# Altium PCB praxis_top_level_pcbdoc_v3.PcbDoc (part 2 of 4)
Units mm, origin at the board's own origin, x right, y up, seen from the top; angles counter-clockwise.
Board outline 152.4 x 79.5 mm, 4 copper layers (Top Layer, Int1 (GND), Int2 (PWR), Bottom Layer), stack 1.584 mm thick; 306 components, 267 nets, 1032 pads, 529 vias.
Unrouted connection lines stored in the file: 1.
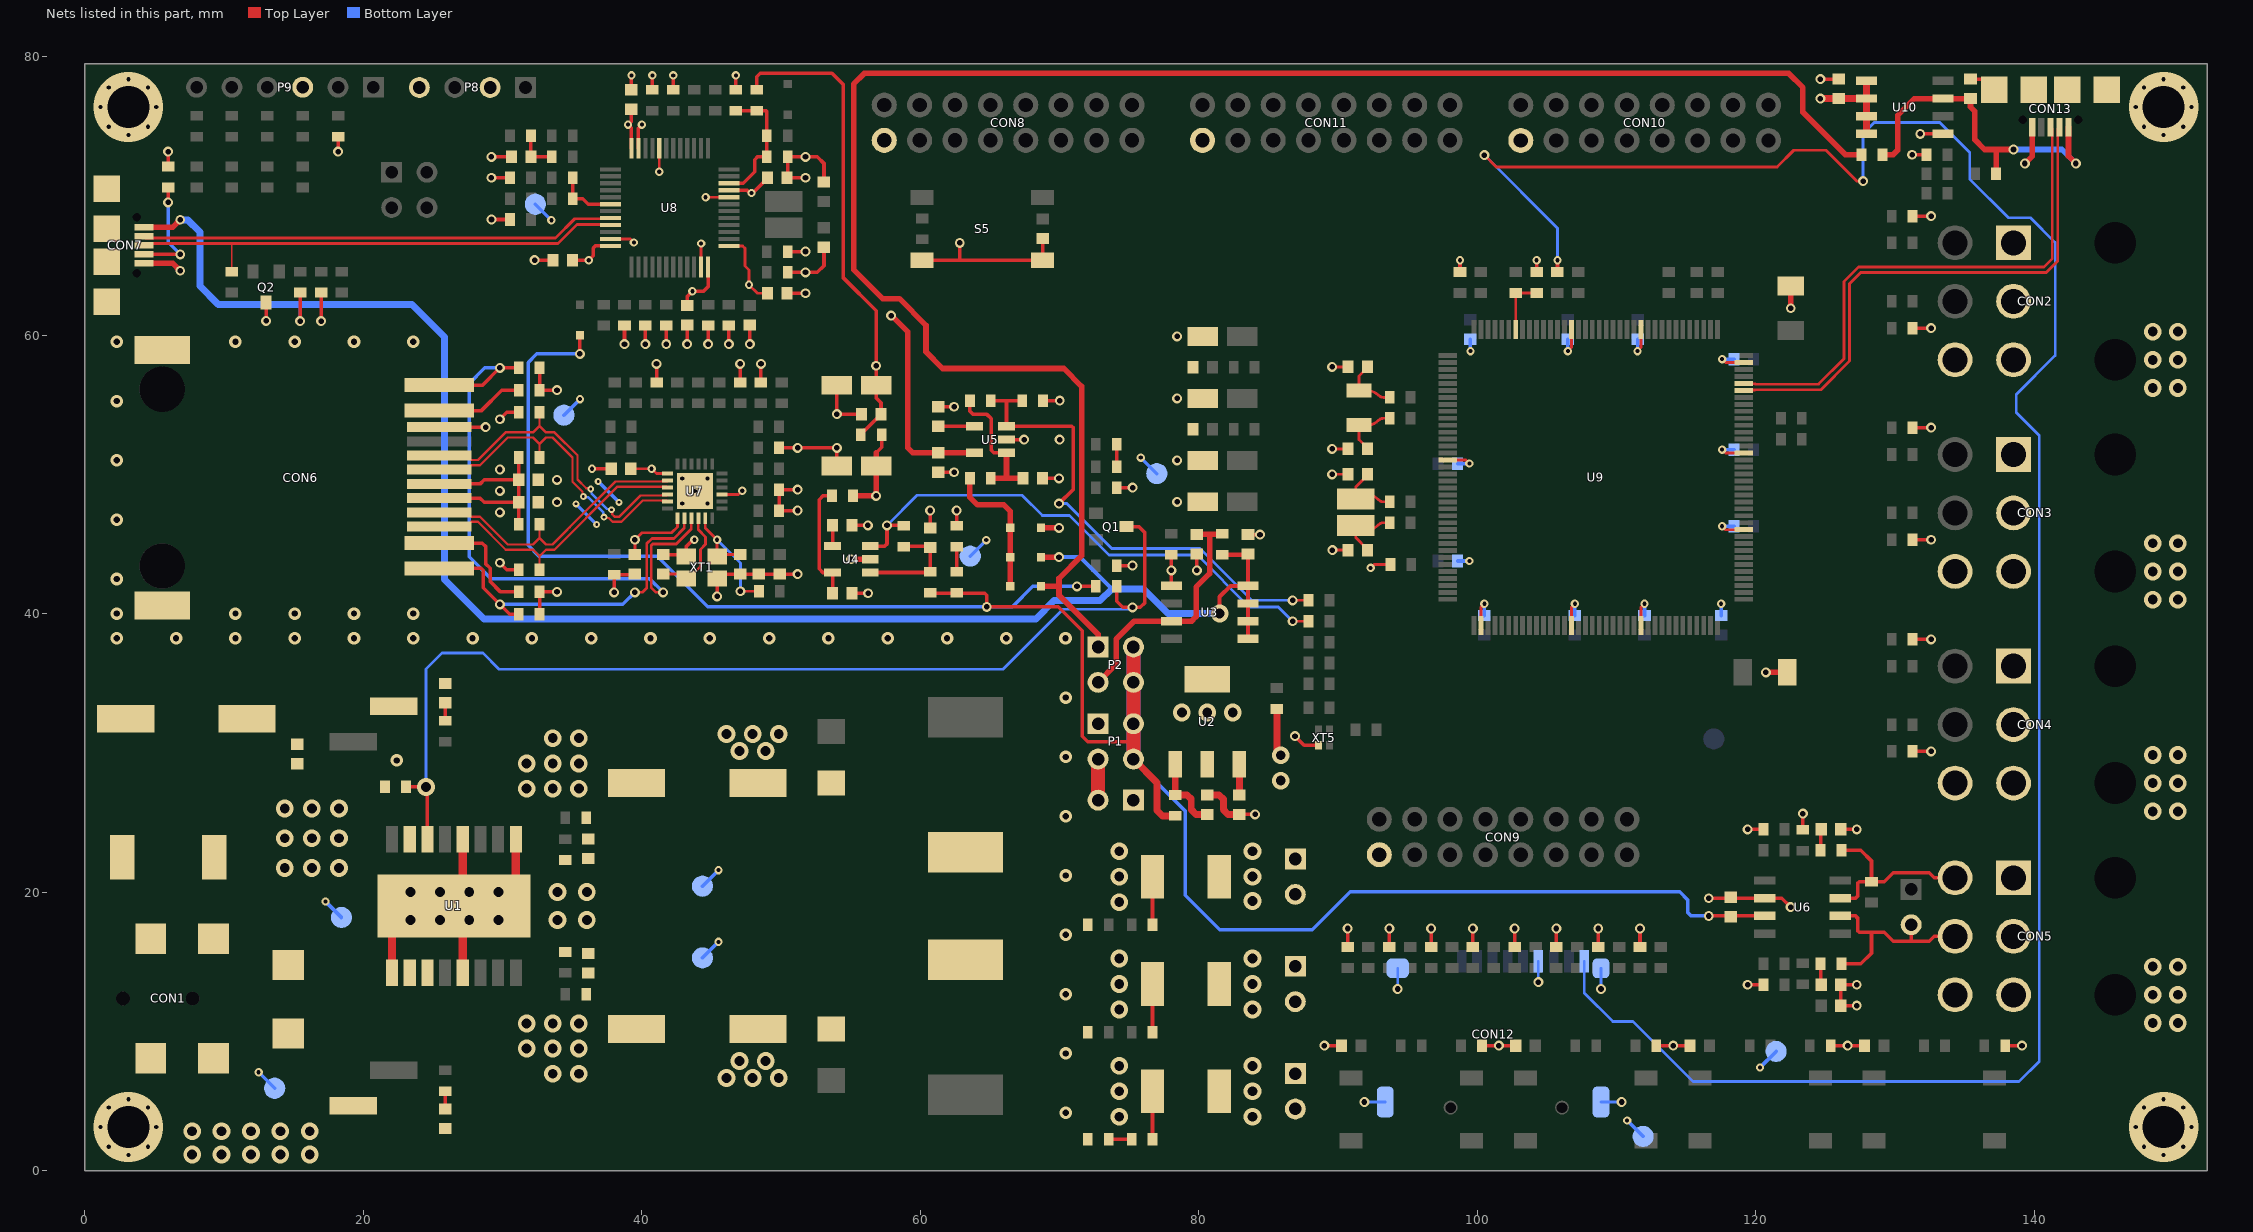
[diagram p4: the nets of this part, all layers, seen from the top]

## Part data (continued)
C55 C56: library part C1206C225K8RACTU, "1206,X7R,2.2UF,10%,10V, UNMARKED,7IN,TR<TX", Capacitance=2.2uF, Case Code (Imperial)=1206, Case Code (Metric)=3216, Dielectric=X7R, Dielectric Material=Ceramic, Manufacturer=KEMET, Max Operating Temperature=125°C, Min Operating Temperature=-55°C, Package Quantity=1, Tolerance=10%, Voltage=10V, Case/Package=1206, Category="Ceramic Capacitors", ComponentLink1Description=https://datasheet.ciiva.com/14595/70095383-14595559.pdf?src-supplier=Allied+Electronics, ComponentLink1URL=https://datasheet.ciiva.com/14595/70095383-14595559.pdf?src-supplier=Allied+Electronics, Depth=1.6mm, Dissipation Factor=5%, Height=1mm, Length=3.2mm, Manufacturer Part Number=C1206C225K8RACTU, Mount="Surface Mount,PCB", Packaging="Tape and Reel", Pricing 1="1=0,91000, 10=0,69300, 50=0,57560, 100=0,49560, 500=0,38372, 1000=0,33043 (USD)", REACH SVHC="No SVHC", RoHS=Yes, Stock 1=1819, Supplier 1=Digi-Key, Termination=SMD/SMT, Thickness=0.071inch, Voltage Rating=10V, Voltage Rating (DC)=10V, Width=0.063inch
C58 C59: library part T491A475K010AT7280, "CAP TANT 4.7UF 10% 10V 1206", Capacitance=4.7uF, Case Code (Imperial)=1206, Case Code (Metric)=3216, ESR (Equivalent Series Resistance)=5R, Manufacturer=KEMET, Max Operating Temperature=125°C, Min Operating Temperature=-55°C, Tolerance=10%, Voltage Rating=10V, Case/Package=1206, Category="Tantalum Capacitors", ComponentLink1Description=https://datasheet.ciiva.com/12885/kem-t2005-t491-12885625.pdf?src-supplier=Mouser, ComponentLink1URL=https://datasheet.ciiva.com/12885/kem-t2005-t491-12885625.pdf?src-supplier=Mouser, Depth=1.6mm, Height=1.8mm, Lead Free="Lead Free", Length=3.2mm, Manufacturer Part Number=T491A475K010AT7280, Packaging="Tape and Reel", Pricing 1="1=0,44000, 10=0,30800, 50=0,21520, 100=0,18450, 500=0,13838, 1000=0,11685, 2500=0,11070 (USD)", Radiation Hardening=No, RoHS=Yes, Stock 1=6630, Supplier 1=Digi-Key, Termination=SMD/SMT, Weight=0.000571oz, Width=1.6mm
C60 C61: library part T491A105K016AT, "1uF Solid MnO2 Tantalum Electrolytic Capacitor,  16 V dc +/-10%,  T491 Series", Capacitance=1uF, Case Code (Imperial)=1206, Case Code (Metric)=3216, Dielectric Material=Tantalum, ESR (Equivalent Series Resistance)=10R, Leakage Current=500nA, Manufacturer=KEMET, Max Operating Temperature=125°C, Min Operating Temperature=-55°C, Package Quantity=1, Ripple Current=87mA, Tolerance=20%, Voltage=16V, Case/Package=1206, Category="Tantalum Capacitors", ComponentLink1Description=https://datasheet.ciiva.com/34302/1573169-34302502.pdf?src-supplier=Jameco, ComponentLink1URL=https://datasheet.ciiva.com/34302/1573169-34302502.pdf?src-supplier=Jameco, ComponentLink2Description=https://datasheet.ciiva.com/7696/1732736-7696289.pdf?src-supplier=Element14, ComponentLink2URL=https://datasheet.ciiva.com/7696/1732736-7696289.pdf?src-supplier=Element14, ComponentLink3Description=https://datasheet.ciiva.com/20171/458280-da-en-01-20171909.pdf?src-supplier=Rapid+Electronics, ComponentLink3URL=https://datasheet.ciiva.com/20171/458280-da-en-01-20171909.pdf?src-supplier=Rapid+Electronics, ComponentLink4Description=https://datasheet.ciiva.com/11793/0900766b80718482-11793119.pdf?src-supplier=RSComponents, ComponentLink4URL=https://datasheet.ciiva.com/11793/0900766b80718482-11793119.pdf?src-supplier=RSComponents, ComponentLink5Description=https://datasheet.ciiva.com/12882/kem-t2005-t491-12882490.pdf?src-supplier=Mouser, ComponentLink5URL=https://datasheet.ciiva.com/12882/kem-t2005-t491-12882490.pdf?src-supplier=Mouser, ComponentLink6Description=https://datasheet.ciiva.com/257/kem-t2005-t491-257404.pdf?src-supplier=Digi-Key, ComponentLink6URL=https://datasheet.ciiva.com/257/kem-t2005-t491-257404.pdf?src-supplier=Digi-Key, ComponentLink7Description=https://datasheet.ciiva.com/257/kem-t2005-t491-257405.pdf?src-supplier=Digi-Key, ComponentLink7URL=https://datasheet.ciiva.com/257/kem-t2005-t491-257405.pdf?src-supplier=Digi-Key, ComponentLink8Description=https://datasheet.ciiva.com/7696/kem-t2005-t491-7696429.pdf?src-supplier=Element14, ComponentLink8URL=https://datasheet.ciiva.com/7696/kem-t2005-t491-7696429.pdf?src-supplier=Element14, ComponentLink9Description=https://datasheet.ciiva.com/14595/70095774-14595055.pdf?src-supplier=Allied+Electronics, ComponentLink9URL=https://datasheet.ciiva.com/14595/70095774-14595055.pdf?src-supplier=Allied+Electronics, ComponentLink10Description=https://datasheet.ciiva.com/257/kem-t2005-t491-257406.pdf?src-supplier=Digi-Key, ComponentLink10URL=https://datasheet.ciiva.com/257/kem-t2005-t491-257406.pdf?src-supplier=Digi-Key, ComponentLink11Description=https://datasheet.ciiva.com/5934/kem-t2005-t491-5934792.pdf?src-supplier=Farnell, ComponentLink11URL=https://datasheet.ciiva.com/5934/kem-t2005-t491-5934792.pdf?src-supplier=Farnell, ComponentLink12Description=https://datasheet.ciiva.com/32431/t491a105k016zt-eng-tds-32431595.pdf?src-supplier=Distrelec, ComponentLink12URL=https://datasheet.ciiva.com/32431/t491a105k016zt-eng-tds-32431595.pdf?src-supplier=Distrelec, Depth=1.6mm, Dissipation Factor=4%, Features="General Purpose", Height=1.6mm, Height - Seated (Max)=0.071inch, Lead Free="Lead Free", Length=3.2mm, Life (Hours)=2000Hour, Manufacturer Part Number=T491A105K016AT, Mount="Surface Mount,PCB", Number of Pins=2, Packaging="Tape and Reel", Polarity=Polar, Pricing 1="1=0,36000, 10=0,25200, 50=0,17640, 100=0,15120, 500=0,11340, 1000=0,09576 (USD)", REACH SVHC="No SVHC", RoHS=Yes, Stock 1=17969, Supplier 1=Digi-Key, Termination=SMD/SMT, Voltage Rating=16V, Voltage Rating (DC)=16V, Width=1.6mm
CON1: library part 694103107102, "CONN PWR JACK DC RA SMD", Color=Black, Current Rating=5A, Flammability Rating="UL94 V-0", Insulation Resistance=100MR, Manufacturer="Wurth Electronics", Max Operating Temperature=85°C, Min Operating Temperature=-40°C, Package Quantity=500, Voltage Rating=18V, Category=Connectors, ComponentLink1Description=http://www.mouser.com/ds/2/445/6941xx107102-469263.pdf?src-supplier=Mouser, ComponentLink1URL=http://www.mouser.com/ds/2/445/6941xx107102-469263.pdf?src-supplier=Mouser, ComponentLink2Description=http://www.farnell.com/cad/2130962.pdf?src-supplier=Element14, ComponentLink2URL=http://www.farnell.com/cad/2130962.pdf?src-supplier=Element14, Connector Type=Jack,Power, Contact Gender=Female, Contact Material="Copper Alloy", Contact Plating=Tin, Gender=Male, Housing Material=Polyamide, Manufacturer Part Number=694103107102, Mount="Surface Mount", Packaging="Tape and Reel", Pricing 1="1=1,56000, 10=1,48500, 50=1,32600, 100=1,22000 (USD)", REACH SVHC=Unknown, RoHS=Yes, Shielding=Unshielded, Stock 1=467, Supplier 1=Digi-Key, Termination=SMD/SMT, Voltage Rating (DC)=18V
CON2 CON3 CON4 CON5: "Conector hembra de 6 posiciones molex", Current Rating=8A, Manufacturer=Molex, Manufacturer Part Number=45732-0001, Max Operating Temperature=105°C, Min Operating Temperature=-40°C, Package Quantity=300, Voltage Rating=600V, Category="Headers and Wire Housings", Contact Material=Brass, Contact Plating=Tin, Gender=Male, Housing Material=Thermoplastic, Mount="Through Hole", Number of Contacts=6, Number of Positions=6, Number of Rows=2, Orientation="Right Angle", Packaging=Tray, Pitch=4.2mm, Radiation Hardening=No, Row Spacing=4.2mm, Termination=Solder
CON6: library part ARJE-0034_MOD, "CONECTOR RJ45 MAGNETICO", Color=Green,Yellow, Current Rating=8mA, Manufacturer=Abracon, Max Operating Temperature=70°C, Min Operating Temperature=0°C, Package Quantity=1, Supplier Part Number 1=535-12443-1-ND, Category="Modular / Ethernet Connectors", CON RJ45=ARJE-0034, Connector Type=RJ45, Direction=Up, Gender=Male, Lead Free="Lead Free", Manufacturer Part Number=ARJE-0034, Mount="Surface Mount", Number of Contacts=8, Number of Cores per Jack=4, Number of Ports=1, Number of Positions=12, Number of Rows=1, Orientation="Right Angle", Packaging="Tape and Reel", Pitch=1.02mm, Radiation Hardening=No, Shielding=Shielded, Supplier 1=Digi-Key, Termination=Solder
CON7 CON13: "CONECTOR USB TYPE B"
CON8 CON9 CON10 CON11: library part PB16D-H, "16 Position Header Connector Through Hole", Supplier Part Number 1=S7076-ND, Supplier 1=Digi-Key
CON12: library part 112J-TDAR-R01_MOD, "Micro SD Card Socket, Push-Push Type, with Switch, Top Mount, SMT, H=1.85mm, 10u", Supplier Part Number 1=112J-TDAR-R01, Supplier 1="Arrow Electronics"
D1 D2: "DIODE SCHOTTKY 60V 2A DO214AC", Average Rectified Current=2A, Case/Package=SMA, Forward Voltage=750mV, Manufacturer=Vishay, Manufacturer Part Number="SS26SHE3\"A/H", Max Forward Surge Current (Ifsm)=40A, Max Operating Temperature=150°C, Max Repetitive Reverse Voltage (Vrrm)=60V, Min Operating Temperature=-55°C, Package Quantity=1800, Peak Reverse Current=10mA, Category="Rectifier Diodes", Element Configuration=Single, Forward Current=2A, Height=2.29mm, Lead Free="Lead Free", Length=4.5mm, Max Reverse Voltage (DC)=60V, Mount="Surface Mount", Number of Pins=2, Packaging="Tape and Reel", Peak Non-Repetitive Surge Current=40A, Radiation Hardening=No, Reverse Voltage (DC)=60V, Supplier 1=Digi-Key, Termination=SMD/SMT, Weight=0.001199oz, Width=2.79mm
D3: "TVS DIODE 11.1V 18.2V DO214AA", Breakdown Voltage=12.4V, Case/Package=SMB, Clamping Voltage=18.2V, Leakage Current=1uA, Manufacturer=Littelfuse, Max Operating Temperature=150°C, Max Surge Current=33A, Min Operating Temperature=-55°C, Operating Supply Voltage=11.1V, Package Quantity=3000, Peak Pulse Current=33.5A, Peak Pulse Power=600W, Power Line Protection=No, Test Current=1mA, Category="TVS Diodes", ComponentLink1Description=https://datasheet.ciiva.com/331/littelfuse-tvs-diode-p6smb-datasheet-pdf-331680.pdf?src-supplier=Digi-Key, ComponentLink1URL=https://datasheet.ciiva.com/331/littelfuse-tvs-diode-p6smb-datasheet-pdf-331680.pdf?src-supplier=Digi-Key, ComponentLink2Description=https://datasheet.ciiva.com/331/littelfuse-tvs-diode-p6smb-datasheet-pdf-331681.pdf?src-supplier=Digi-Key, ComponentLink2URL=https://datasheet.ciiva.com/331/littelfuse-tvs-diode-p6smb-datasheet-pdf-331681.pdf?src-supplier=Digi-Key, ComponentLink3Description=https://datasheet.ciiva.com/331/littelfuse-tvs-diode-p6smb-datasheet-pdf-331679.pdf?src-supplier=Digi-Key, ComponentLink3URL=https://datasheet.ciiva.com/331/littelfuse-tvs-diode-p6smb-datasheet-pdf-331679.pdf?src-supplier=Digi-Key, Composition=Zener, Lead Free="Lead Free", Manufacturer Part Number=P6SMB13CA, Min Breakdown Voltage=12.4V, Mount="Surface Mount", Number of Bidirectional Channels=1, Number of Channels=1, Number of Elements=1, Number of Pins=2, Packaging="Tape and Reel", Polarity=Bidirectional, Pricing 1="1=0,38000, 10=0,28000, 100=0,19500, 500=0,12350, 1000=0,09880 (USD)", Reverse Breakdown Voltage=12.4V, Reverse Standoff Voltage=11.1V, RoHS=Yes, Stock 1=2958, Supplier 1=Digi-Key, Termination=SMD/SMT
D4: library part SK54L-TP, "DIODE SCHOTTKY 40V 5A DO214AB", Average Rectified Current=5A, Forward Voltage=550mV, Manufacturer=MCC, Max Operating Temperature=150°C, Max Repetitive Reverse Voltage (Vrrm)=40V, Max Reverse Current=1mA, Min Operating Temperature=-55°C, Natural Thermal Resistance=16°C/W, Package Quantity=1, Peak Non-Repetitive Surge Current=100A, Category="Rectifier Diodes", ComponentLink1Description=https://datasheet.ciiva.com/13064/sk52l-sk510ldo-214ab-50991-13064420.pdf?src-supplier=Mouser, ComponentLink1URL=https://datasheet.ciiva.com/13064/sk52l-sk510ldo-214ab-50991-13064420.pdf?src-supplier=Mouser, ComponentLink2Description=https://datasheet.ciiva.com/17442/sk52l-sk510ldo-214ab-17442205.pdf?src-supplier=Future+Electronics, ComponentLink2URL=https://datasheet.ciiva.com/17442/sk52l-sk510ldo-214ab-17442205.pdf?src-supplier=Future+Electronics, ComponentLink3Description=https://datasheet.ciiva.com/18567/sk52l-sk510ldo-214ab-18567181.pdf?src-supplier=Digi-Key, ComponentLink3URL=https://datasheet.ciiva.com/18567/sk52l-sk510ldo-214ab-18567181.pdf?src-supplier=Digi-Key, ComponentLink4Description=https://datasheet.ciiva.com/26844/getdatasheetpartid-202301-26844906.pdf?src-supplier=Verical, ComponentLink4URL=https://datasheet.ciiva.com/26844/getdatasheetpartid-202301-26844906.pdf?src-supplier=Verical, ComponentLink5Description=https://datasheet.ciiva.com/15045/sk52l-sk510ldo-214ab-15045311.pdf?src-supplier=Digi-Key, ComponentLink5URL=https://datasheet.ciiva.com/15045/sk52l-sk510ldo-214ab-15045311.pdf?src-supplier=Digi-Key, Element Configuration=Single, Lead Free="Lead Free", Manufacturer Part Number=SK54L-TP, Max Reverse Voltage (DC)=40V, Mount="Surface Mount", Number of Pins=2, Packaging="Tape and Reel", Pricing 1="1=0,44000, 10=0,35000, 100=0,27500, 500=0,19000, 1000=0,15000 (USD)", Radiation Hardening=No, RoHS=Yes, Stock 1=514, Supplier 1=Digi-Key
D5 D6 D11 D20 D23: "DIODE SCHOTTKY 10V 3A SOD323F", Manufacturer=Nexperia, Manufacturer Part Number=PMEG1030EJ,115, Supplier 1=Digi-Key
D7 D8 D9 D10 D13 D15 D17 D19: "DIODO LED ROJO 0603", Case Code (Imperial)=0603, Case Code (Metric)=1608, Color=Red, Forward Current=30mA, Forward Voltage=2V, Lens Color=Colorless, Manufacturer="Vishay Lite-On", Max Operating Temperature=85°C, Min Operating Temperature=-55°C, Package Quantity=1, Power Dissipation=75mW, Reverse Voltage=5V, Test Current=20mA, Case/Package=0603, Category=LEDs, Depth=0.8mm, Dominant Wavelength=631nm, Height=0.55mm, Illumination Color=Red, Lead Free="Lead Free", Length=1.6mm, Lens Style=Clear,Diffused,Colorless,Rectangular, Lens Transparency=Clear, Luminous Intensity=54mcd, Manufacturer Part Number=LTST-C191KRKT, Mount="Surface Mount", Number of Elements=1, Number of LEDs=1, Number of Pins=2, Packaging="Tape and Reel", Power Rating=75mW, Radiation Hardening=No, Viewing Angle=130°, Voltage=2V, Wavelength=639nm, Width=0.8mm
  D7 D8 D9 D10: Supplier 1=Digi-Key
D12 D14 D16 D18 D21: "DIODO LED VERDE", Case Code (Imperial)=0603, Case Code (Metric)=1608, Color=Green, Forward Current=25mA, Forward Voltage=3.2V, Lens Color=Colorless, Manufacturer="Vishay Lite-On", Max Operating Temperature=80°C, Min Operating Temperature=-20°C, Package Quantity=1, Power Dissipation=76mW, Reverse Voltage=5V, Test Current=20mA, Case/Package=0603, Category=LEDs, Depth=0.8mm, Dominant Wavelength=530nm, Height=0.55mm, Illumination Color=Green, Lead Free="Lead Free", Length=1.6mm, Lens Style=Clear,Diffused,Colorless,Rectangular, Lens Transparency=Clear, Luminous Intensity=450mcd, Manufacturer Part Number=LTST-C191TGKT, Mount="Surface Mount", Number of Elements=1, Number of LEDs=1, Number of Pins=2, Packaging="Tape and Reel", Radiation Hardening=No, Supplier 1=Digi-Key, Viewing Angle=130°, Wavelength=530nm, Width=0.8mm
D22: "DIODO LED ROJO", Case Code (Imperial)=0603, Case Code (Metric)=1608, Color=Red, Forward Current=30mA, Forward Voltage=2V, Lens Color=Colorless, Manufacturer="Vishay Lite-On", Max Operating Temperature=85°C, Min Operating Temperature=-55°C, Package Quantity=1, Power Dissipation=75mW, Reverse Voltage=5V, Test Current=20mA, Case/Package=0603, Category=LEDs, Depth=0.8mm, Dominant Wavelength=631nm, Height=0.55mm, Illumination Color=Red, Lead Free="Lead Free", Length=1.6mm, Lens Style=Clear,Diffused,Colorless,Rectangular, Lens Transparency=Clear, Luminous Intensity=54mcd, Manufacturer Part Number=LTST-C191KRKT, Mount="Surface Mount", Number of Elements=1, Number of LEDs=1, Number of Pins=2, Packaging="Tape and Reel", Power Rating=75mW, Radiation Hardening=No, Supplier 1=Digi-Key, Viewing Angle=130°, Voltage=2V, Wavelength=639nm, Width=0.8mm
D24 D25 D26 D27 D28 D29 D30 D31: "DIODO LED ROJO", Case Code (Imperial)=0603, Case Code (Metric)=1608, Color=Red, Forward Current=30mA, Forward Voltage=2V, Lens Color=Colorless, Manufacturer="Vishay Lite-On", Max Operating Temperature=85°C, Min Operating Temperature=-55°C, Package Quantity=1, Power Dissipation=75mW, Reverse Voltage=5V, Supplier Part Number 1=160-1447-1-ND, Test Current=20mA, Case/Package=0603, Category=LEDs, Depth=0.8mm, Dominant Wavelength=631nm, Height=0.55mm, Illumination Color=Red, Lead Free="Lead Free", Length=1.6mm, Lens Style=Clear,Diffused,Colorless,Rectangular, Lens Transparency=Clear, Luminous Intensity=54mcd, Manufacturer Part Number=LTST-C191KRKT, Mount="Surface Mount", Number of Elements=1, Number of LEDs=1, Number of Pins=2, Packaging="Tape and Reel", Power Rating=75mW, Radiation Hardening=No, Supplier 1=Digi-Key, Viewing Angle=130°, Voltage=2V, Wavelength=639nm, Width=0.8mm
F1 F2 F3: "LITTELFUSE - MINISMDC110F-2 - FUSE, PTC RESET, 8V, 1.1A, 1812", Hold Current=1.1A, Manufacturer=Littelfuse, Max Operating Temperature=85°C, Min Operating Temperature=-40°C, Operating Supply Voltage=8V, Category="PTC Resettable Fuses", ComponentLink1Description=http://www.farnell.com/datasheets/2282569.pdf?src-supplier=Farnell, ComponentLink1URL=http://www.farnell.com/datasheets/2282569.pdf?src-supplier=Farnell, ComponentLink2Description=http://www.farnell.com/datasheets/1468628.pdf?src-supplier=Farnell, ComponentLink2URL=http://www.farnell.com/datasheets/1468628.pdf?src-supplier=Farnell, ComponentLink3Description=https://www.littelfuse.com/~/media/electronics/product_specifications/resettable_ptcs/littelfuse_ptc_minismdc110f_2_product_specification.pdf.pdf?src-supplier=Digi-Key, ComponentLink3URL=https://www.littelfuse.com/~/media/electronics/product_specifications/resettable_ptcs/littelfuse_ptc_minismdc110f_2_product_specification.pdf.pdf?src-supplier=Digi-Key, ComponentLink4Description=http://www.farnell.com/datasheets/1468628.pdf?src-supplier=Element14, ComponentLink4URL=http://www.farnell.com/datasheets/1468628.pdf?src-supplier=Element14, ComponentLink5Description=http://www.littelfuse.com/~/media/electronics/datasheets/resettable_ptcs/littelfuse_ptc_minismd_catalog_datasheet.pdf.pdf?src-supplier=Digi-Key, ComponentLink5URL=http://www.littelfuse.com/~/media/electronics/datasheets/resettable_ptcs/littelfuse_ptc_minismd_catalog_datasheet.pdf.pdf?src-supplier=Digi-Key, ComponentLink6Description=http://www.farnell.com/datasheets/2282569.pdf?src-supplier=Newark, ComponentLink6URL=http://www.farnell.com/datasheets/2282569.pdf?src-supplier=Newark, Lead Free="Lead Free", Length=4.73mm, Manufacturer Part Number=MINISMDC110F-2, Pricing 1="1=0,22546, 10=0,20584, 30=0,19964, 50=0,18972, 100=0,18476 (USD)", REACH SVHC=Unknown, RoHS=No, Supplier 1=Digi-Key, Voltage Rating (DC)=8V
J1 J2 J5 J6 J7: "RES 0 OHM JUMPER 1/10W 0603", Supplier 1=Avnet
J3 J4: "Connector Header Surface Mount 2 position 0.100\" (2.54mm)", Color=Black, Manufacturer=Samtec, Manufacturer Part Number=TSM-102-01-L-SV-TR, Max Current Rating=7A, Max Operating Temperature=125°C, Max Voltage Rating (AC)=475V, Min Operating Temperature=-55°C, Category="Headers and Wire Housings", Connector Type="Male Pin", Contact Material=Bronze, Contact Mating Length=0.23inch, Contact Plating=Gold, Depth=2.54mm, Gender=Male, Housing Color=Black, Housing Material=Polymer, Lead Free="Lead Free", Length=5.08mm, Mount="Surface Mount", Number of Contacts=2, Number of Positions=2, Number of Rows=1, Orientation=Straight, Packaging="Tape and Reel", Pitch=2.54mm, Radiation Hardening=No, REACH SVHC="No SVHC", Supplier 1=Digi-Key, Termination=Solder
L1 L2: "FIXED IND 47uH 2A 135M Ohm SMD", Case/Package=Nonstandard, Current Rating=2A, DC Resistance (DCR)=135mR, Frequency=13MHz, Inductance=47uH, Inductance Tolerance=20%, Manufacturer=Bourns, Max Operating Temperature=125°C, Min Operating Temperature=-40°C, Package Quantity=800, Resistance=135MR, Saturation Current=1.8A, Test Frequency=100kHz, Category="Fixed Inductors", Composition=Wirewound, Core Material=Ferrite, DC Current=2A, Depth=12.8mm, Height=4mm, Height - Seated (Max)=0.177inch, Length=12.5mm, Manufacturer Part Number=SRR1240-470M, Material=Steel, Max DC Current=2A, Military Standard=Not, Mount="Surface Mount", Packaging="Cut Tape", Q Factor=19, Radiation Hardening=No, REACH SVHC="No SVHC", RMS Current (Irms)=2A, Self Resonant Frequency=13MHz, Shielding=Shielded, Supplier 1=Digi-Key, Termination=SMD/SMT, Tolerance=20%, Width=12.5mm
L3 L4: "FIXED IND 100uH 80MA 5.5 OHM SMD", Case Code (Imperial)=0603, Case Code (Metric)=1608, Current Rating=25mA, DC Current=80mA, DC Resistance (DCR)=5.5R, Inductance=100uH, Manufacturer=TDK, Manufacturer Part Number=GLFR1608T101M-LR, Max Operating Temperature=105°C, Min Operating Temperature=-40°C, Package Quantity=4000, Tolerance=20%, Case/Package=0603, Category="Fixed Inductors", ComponentLink1Description=https://datasheet.ciiva.com/1040/glfrseries-1040797.pdf?src-supplier=Digi-Key, ComponentLink1URL=https://datasheet.ciiva.com/1040/glfrseries-1040797.pdf?src-supplier=Digi-Key, ComponentLink2Description=https://datasheet.ciiva.com/1040/glfrseries-1040798.pdf?src-supplier=Digi-Key, ComponentLink2URL=https://datasheet.ciiva.com/1040/glfrseries-1040798.pdf?src-supplier=Digi-Key, ComponentLink3Description=https://datasheet.ciiva.com/1040/glfrseries-1040799.pdf?src-supplier=Digi-Key, ComponentLink3URL=https://datasheet.ciiva.com/1040/glfrseries-1040799.pdf?src-supplier=Digi-Key, Depth=1mm, Height=0.031inch, Lead Free="Lead Free", Length=0.063inch, Max DC Current=80mA, Military Standard=Not, Mount="Surface Mount", Packaging="Tape and Reel", Pricing 1="1=0,27000, 10=0,24400, 100=0,16760, 500=0,14324, 1000=0,10971 (USD)", RoHS=Yes, Saturation Current=25mA, Shielding=Shielded, Stock 1=31108, Supplier 1=Digi-Key, Termination=SMD/SMT, Width=0.8mm
L5: "FIXED IND 100uH 80MA 5.5 OHM SMD", Case Code (Imperial)=0603, Case Code (Metric)=1608, Current Rating=25mA, DC Current=80mA, DC Resistance (DCR)=5.5R, Inductance=100uH, Manufacturer=TDK, Manufacturer Part Number=GLFR1608T101M-LR, Max Operating Temperature=105°C, Min Operating Temperature=-40°C, Package Quantity=4000, Supplier Part Number 1=445-6150-2-ND, Tolerance=20%, Case/Package=0603, Category="Fixed Inductors", ComponentLink1Description=https://datasheet.ciiva.com/1040/glfrseries-1040797.pdf?src-supplier=Digi-Key, ComponentLink1URL=https://datasheet.ciiva.com/1040/glfrseries-1040797.pdf?src-supplier=Digi-Key, ComponentLink2Description=https://datasheet.ciiva.com/1040/glfrseries-1040798.pdf?src-supplier=Digi-Key, ComponentLink2URL=https://datasheet.ciiva.com/1040/glfrseries-1040798.pdf?src-supplier=Digi-Key, ComponentLink3Description=https://datasheet.ciiva.com/1040/glfrseries-1040799.pdf?src-supplier=Digi-Key, ComponentLink3URL=https://datasheet.ciiva.com/1040/glfrseries-1040799.pdf?src-supplier=Digi-Key, Depth=1mm, Height=0.031inch, Lead Free="Lead Free", Length=0.063inch, Max DC Current=80mA, Military Standard=Not, Mount="Surface Mount", Packaging="Tape and Reel", Pricing 1="1=0,27000, 10=0,24400, 100=0,16760, 500=0,14324, 1000=0,10971 (USD)", RoHS=Yes, Saturation Current=25mA, Shielding=Shielded, Stock 1=31108, Supplier 1=Digi-Key, Termination=SMD/SMT, Width=0.8mm
P1 P2 P10: "Header, 2-Pin X 2"
P3 P4 P5 P6 P7: "Header, 2-Pin", LatestRevisionDate=17-Jul-2002, LatestRevisionNote="Re-released for DXP Platform.", Publisher="Altium Limited"
P8: "Header, 4-Pin", LatestRevisionDate=17-Jul-2002, LatestRevisionNote="Re-released for DXP Platform.", Publisher="Altium Limited"
P9: "Header, 6-Pin", LatestRevisionDate=17-Jul-2002, LatestRevisionNote="Re-released for DXP Platform.", Publisher="Altium Limited", Supplier 1=Digi-Key
Q1 Q2: "Transistor NPN 40V 0.8A SOT23", Case/Package=SOT-23, Collector Emitter Breakdown Voltage=40V, Current Rating=800mA, Manufacturer=Philips, Power Dissipation=350mW, Category=BJTs, Lead Free="Lead Free", Manufacturer Part Number=BSR14, Number of Pins=3, Packaging="Cut Tape", Polarity=NPN, REACH SVHC="No SVHC", Supplier 1=Digi-Key, Voltage Rating (DC)=40V
R1 R2 R3 R4 R5 R6 R7 R8 R9 R10 R11 R12 R13 R14 R15 R16 R17 R18 R19 R20 R21 R22 R23 R24 R25 R26 R27 R28 R29 R30 R31 R32 R33 R34 R35 R36 R37 R38 R39 R40 R41 R42 R43 R44 R45 R46 R47 R48 R49 R50 R51 R52 R53 R54 R55 R56 R57 R58 R59 R60 R61 R62 R63 R64 R65 R66 R67 R68 R69 R70 R71 R72 R73 R74 R75 R76 R77 R78 R79 R80 R81 R82 R83 R85 R86 R87 R89 R90 R91 R92 R93 R94 R95 R96 R97 R98 R99 R100 R101 R102 R103 R104 R105 R106 R107: "Resistor", LatestRevisionDate=29-May-2009, LatestRevisionNote="IPC-7351 Footprint Added.", PackageDescription="Chip Resistor", PackageReference=J1-0603, Published=8-Jun-2000, Publisher="Altium Limited"
R84 R88: library part Res3, "Resistor", LatestRevisionDate=29-May-2009, LatestRevisionNote="IPC-7351 Footprint Added.", PackageDescription="Chip Resistor", PackageReference=J1-0603, Published=8-Jun-2000, Publisher="Altium Limited"
S1 S2 S3 S4 S5: library part TVDM04-B043BB-R, "TAC-SWITCH SMD 6X6MM L=4.3MM"
U1: library part SPI-8001TW-TL, "IC REG BUCK ADJ 1.5A DL 16-HSOP", Case/Package=SOIC, Manufacturer="Allegro MicroSystems Sanken", Max Input Voltage=20V, Max Operating Temperature=135°C, Max Output Voltage=16V, Min Input Voltage=4V, Min Operating Temperature=-30°C, Min Output Voltage=1V, Output Current=1.5A, Package Quantity=1400, Supplier Part Number 1=SPI-8001TW-TLCT-ND, Switching Frequency=250kHz, Category="Voltage Regulators - Switching", ComponentLink1Description=https://datasheet.ciiva.com/29734/spi-8001tw-ds-en-29734001.pdf?src-supplier=Digi-Key, ComponentLink1URL=https://datasheet.ciiva.com/29734/spi-8001tw-ds-en-29734001.pdf?src-supplier=Digi-Key, ComponentLink2Description=https://datasheet.ciiva.com/29733/h1-o03eh0-29733998.pdf?src-supplier=Digi-Key, ComponentLink2URL=https://datasheet.ciiva.com/29733/h1-o03eh0-29733998.pdf?src-supplier=Digi-Key, ComponentLink3Description=https://datasheet.ciiva.com/29733/h1-o03eh0-29733994.pdf?src-supplier=Digi-Key, ComponentLink3URL=https://datasheet.ciiva.com/29733/h1-o03eh0-29733994.pdf?src-supplier=Digi-Key, Manufacturer Part Number=SPI-8001TW-TL, Mount="Surface Mount", Number of Outputs=2, Number of Pins=16, Output Configuration=Positive, Output Type=Adjustable, Packaging="Tape and Reel", Pricing 1="1=3,10000, 10=2,78500, 25=2,63240, 100=2,16450, 250=1,94220, 500=1,87200 (USD)", RoHS=Yes, Stock 1=1392, Supplier 1=Digi-Key, Synchronous Rectifier=No
U2: "MCP1825 Series 500 mA Low Quiescent Current LDO Regulator - SOT-223-3", Manufacturer=Microchip, Manufacturer Part Number=MCP1825S-3302E/DB, Category="Voltage Regulators - Linear", ComponentLink1Description=https://datasheet.ciiva.com/2040/22056b-2040962.pdf?src-supplier=Digi-Key, ComponentLink1URL=https://datasheet.ciiva.com/2040/22056b-2040962.pdf?src-supplier=Digi-Key, ComponentLink2Description=https://datasheet.ciiva.com/16369/filehandler-aspxddocname-en531698-16369574.pdf?src-supplier=Future+Electronics, ComponentLink2URL=https://datasheet.ciiva.com/16369/filehandler-aspxddocname-en531698-16369574.pdf?src-supplier=Future+Electronics, ComponentLink3Description=https://datasheet.ciiva.com/3224/22056b-3224139.pdf?src-supplier=Avnet, ComponentLink3URL=https://datasheet.ciiva.com/3224/22056b-3224139.pdf?src-supplier=Avnet, ComponentLink4Description=https://datasheet.ciiva.com/8041/514217-8041499.pdf?src-supplier=Element14, ComponentLink4URL=https://datasheet.ciiva.com/8041/514217-8041499.pdf?src-supplier=Element14, Pricing 1="1=0,51000, 25=0,43000, 100=0,39000 (USD)", RoHS=Yes, Stock 1=2086, Supplier 1=Avnet
U3 U10: library part BSP742T, "Power Switch/Driver 1:1 N-Channel 800mA P-DSO-8", Supplier Part Number 1=BSP742TXUMA1CT-ND, Supplier 1=Digi-Key
U4: "LDO VOLT REG, 0.15A, 3.3V, TSOT-23-5; Input Voltage Min:2.3V; Input Voltage Max:5.5V; Output Voltage Nom.:3.3V; Output Current:150mA; Dropout Voltage Vdo:40mV; LDO Regulator Case Style:TSOT-23; No. of Pins:5; Operating Temperature Min:-40°C; Operating Temperature Max:125°C; Packaging:Cut Tape; MSL:MSL 1 - Unlimited; SVHC:No SVHC (15-Jun-2015)", Manufacturer=Microchip, Category="Voltage Regulators - Linear", ComponentLink1Description=https://datasheet.ciiva.com/2049/mic5301-2049830.pdf?src-supplier=Digi-Key, ComponentLink1URL=https://datasheet.ciiva.com/2049/mic5301-2049830.pdf?src-supplier=Digi-Key, ComponentLink2Description=https://datasheet.ciiva.com/46425/1670788-46425623.pdf?src-supplier=Element14, ComponentLink2URL=https://datasheet.ciiva.com/46425/1670788-46425623.pdf?src-supplier=Element14, Manufacturer Part Number=MIC5301-3.3YD5-TR, Pricing 1="1=0,59000, 25=0,49000, 100=0,45000 (USD)", RoHS=Yes, Stock 1=2373, Supplier 1=Digi-Key
U5: "IC REG LINEAR 3.3V 150mA SOT23-5", Case/Package=SOT-23, Dropout Voltage=60mV, Input Bias Current=85uA, Manufacturer=STMicroelectronics, Max Input Voltage=6V, Max Operating Temperature=125°C, Max Output Current=150mA, Min Current Limit=300mA, Min Input Voltage=2.5V, Min Operating Temperature=-40°C, Min Output Voltage=3.3V, Output Voltage Accuracy=2%, Package Quantity=1, Quiescent Current=150uA, Accuracy=2%, Built_By=EMA_UL_Team, Category="Voltage Regulators - Linear", ComponentLink1Description=https://datasheet.ciiva.com/41440/001185181-da-01-en-ic-reg-ldo-3-3v-ld3985m33r-sot-23-5-stm-41440289.pdf?src-supplier=Conrad, ComponentLink1URL=https://datasheet.ciiva.com/41440/001185181-da-01-en-ic-reg-ldo-3-3v-ld3985m33r-sot-23-5-stm-41440289.pdf?src-supplier=Conrad, ComponentLink2Description=https://datasheet.ciiva.com/26905/ld3985m33r-26905032.pdf?src-supplier=IIIC, ComponentLink2URL=https://datasheet.ciiva.com/26905/ld3985m33r-26905032.pdf?src-supplier=IIIC, ComponentLink3Description=https://datasheet.ciiva.com/2042/cd00003395-2042198.pdf?src-supplier=Digi-Key, ComponentLink3URL=https://datasheet.ciiva.com/2042/cd00003395-2042198.pdf?src-supplier=Digi-Key, ComponentLink4Description=https://datasheet.ciiva.com/2042/cd00003395-2042200.pdf?src-supplier=Digi-Key, ComponentLink4URL=https://datasheet.ciiva.com/2042/cd00003395-2042200.pdf?src-supplier=Digi-Key, ComponentLink5Description=https://datasheet.ciiva.com/2042/cd00003395-2042199.pdf?src-supplier=Digi-Key, ComponentLink5URL=https://datasheet.ciiva.com/2042/cd00003395-2042199.pdf?src-supplier=Digi-Key, ComponentLink6Description=https://datasheet.ciiva.com/16591/cd00003395-16591967.pdf?src-supplier=Avnet+Europe, ComponentLink6URL=https://datasheet.ciiva.com/16591/cd00003395-16591967.pdf?src-supplier=Avnet+Europe, Copyright="Copyright (C) 2018 Accelerated Designs. All rights reserved", Height=1.3mm, Lead Free="Lead Free", Length=3mm, Manufacturer Part Number=LD3985M33R, Manufacturer_Part_Number=LD3985M33R, Mount="Surface Mount", Number of Outputs=1, Number of Pins=5, Number of Regulators=1, Output Current=150mA, Output Type=Fixed, Output Voltage=3.3V, Packaging="Tape and Reel", Polarity=Positive, Pricing 1="1=0,60000, 10=0,52800, 25=0,49600, 100=0,37600, 250=0,32000, 500=0,30400, 1000=0,23200 (USD)", Radiation Hardening=No, RefDes=RefDes, RoHS=Yes, Stock 1=4469, Supplier 1=Digi-Key, Type=DEV, Vendor=STMicroelectronics, Width=1.75mm